# Altium PCB main_board.PcbDoc (part 1 of 2) (continued)
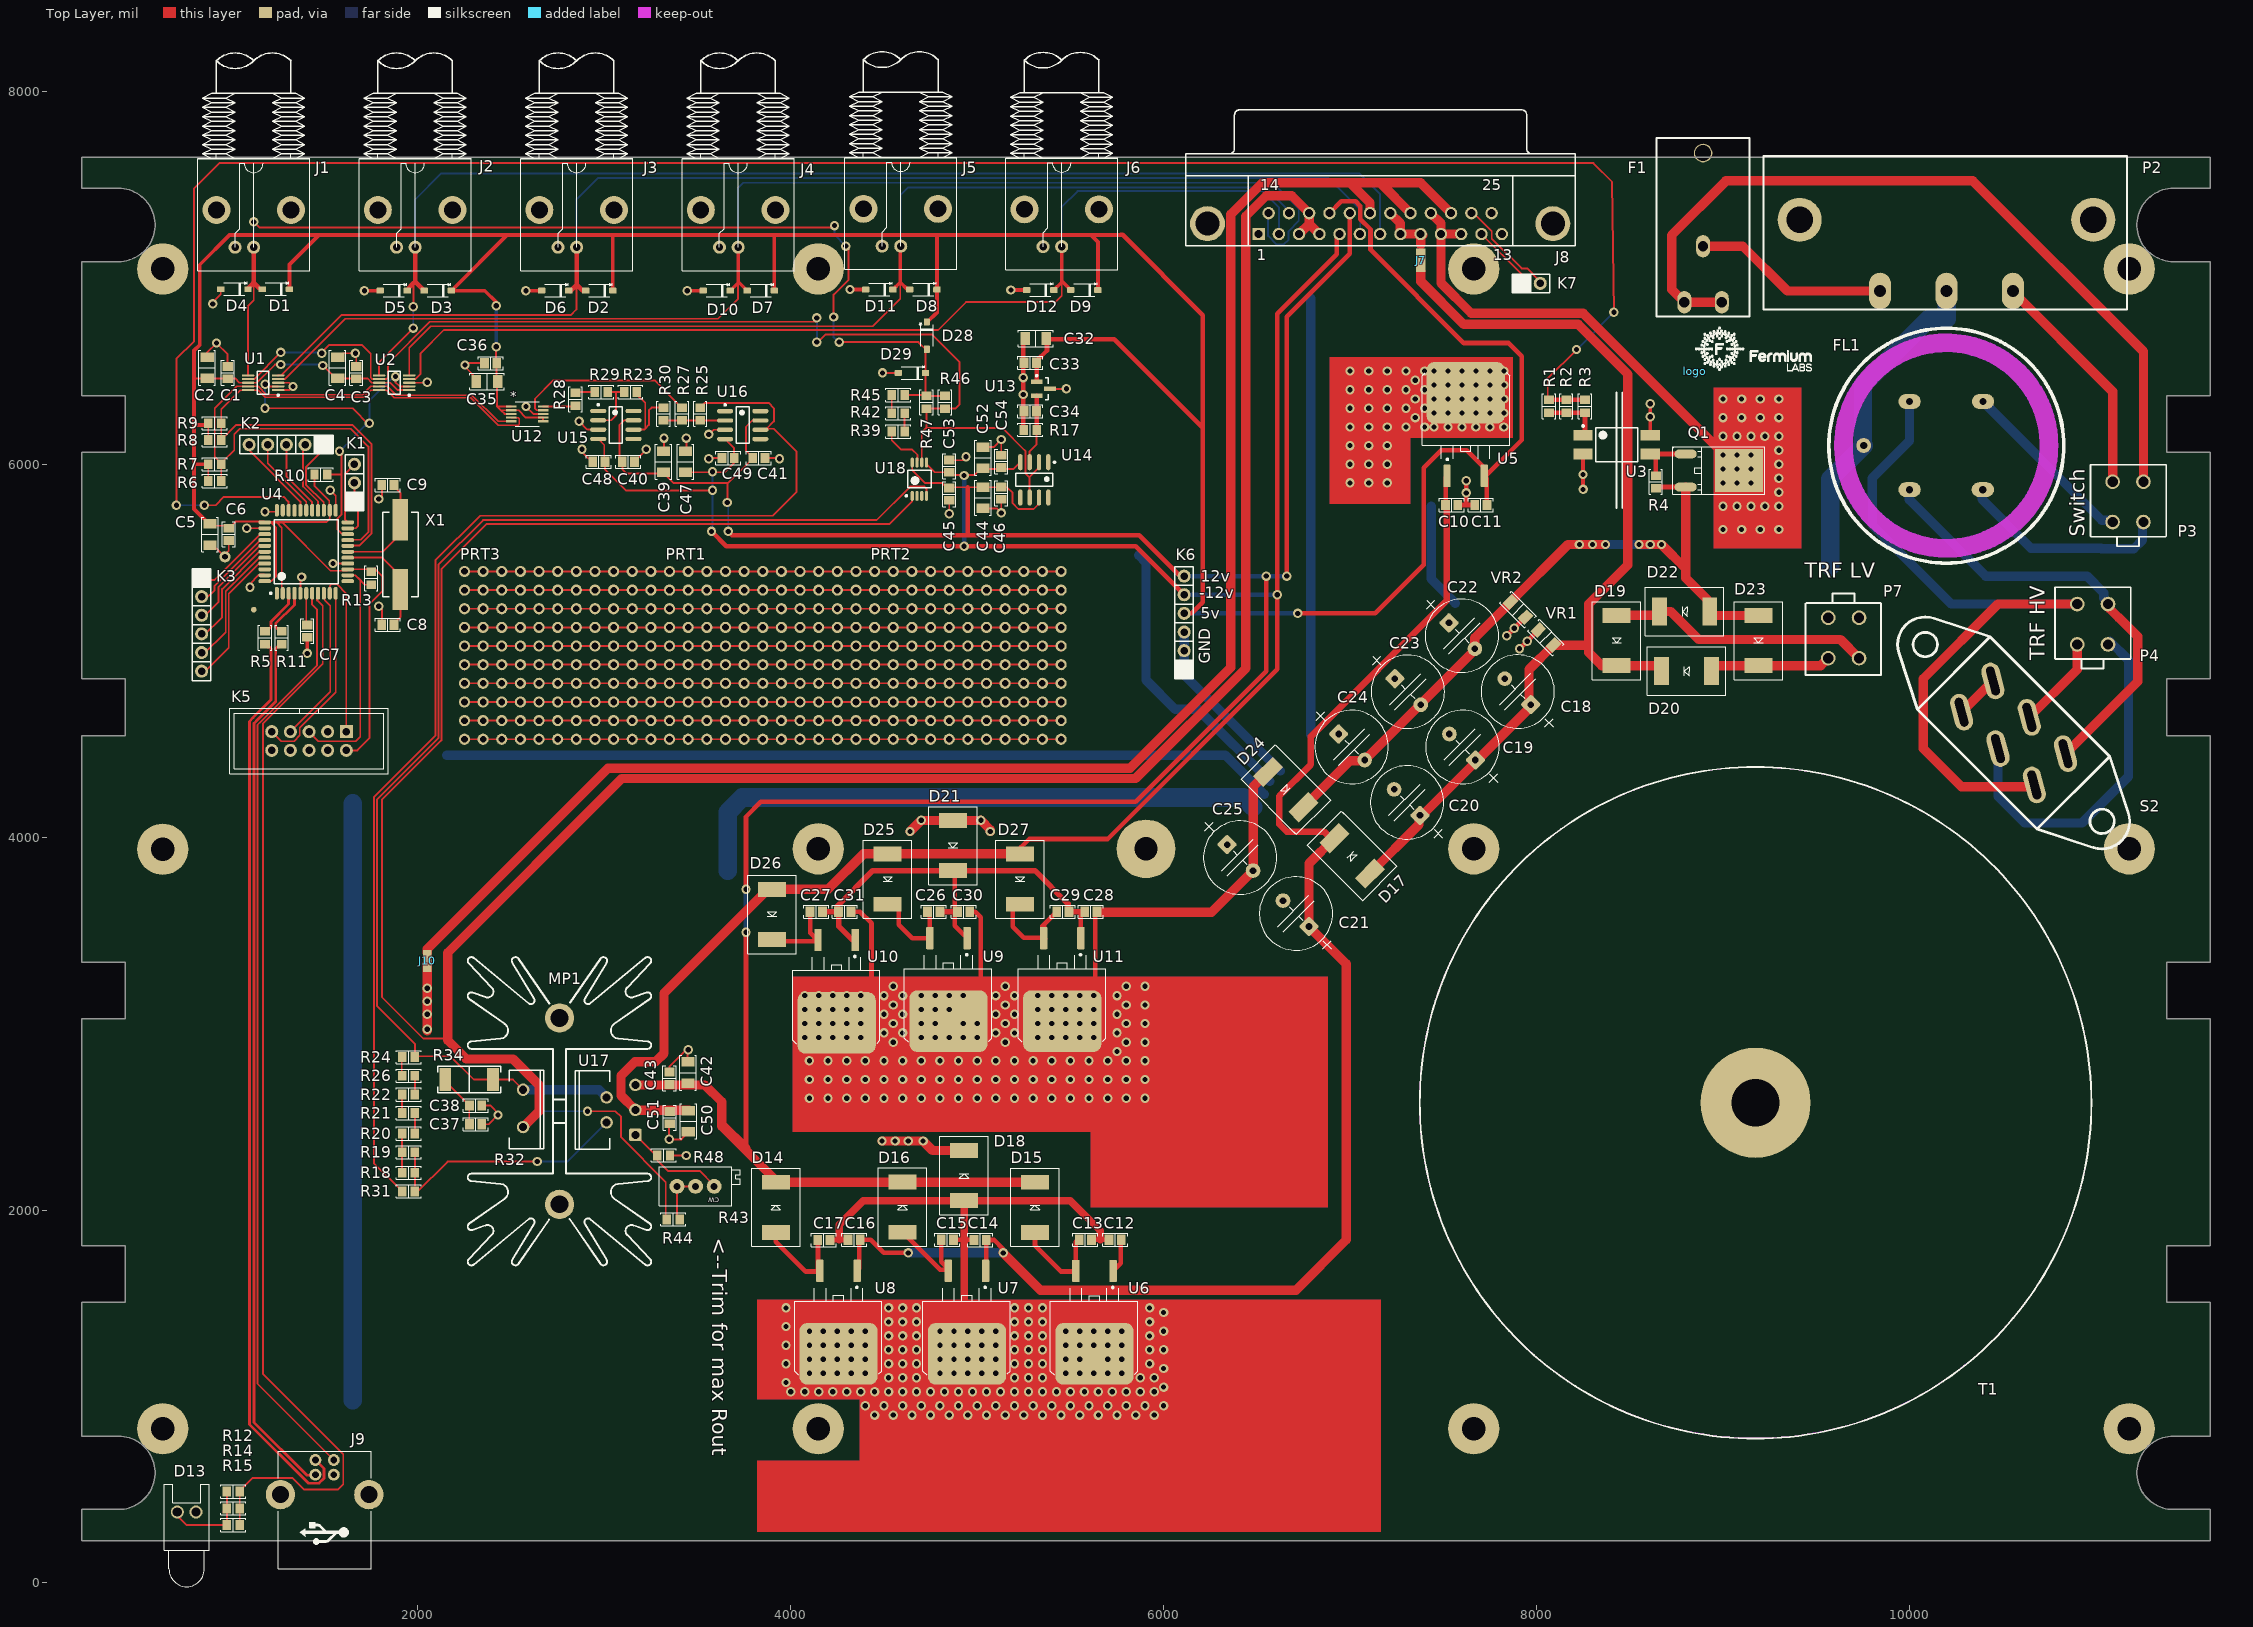
[diagram p0: Top Layer view]
## Part data (continued)
logo: library part fermiumlabs-logo
MP1: library part SK129-63STS, Manufacturer Part Number=SK129-50STS, Pads="2 THT", Supplier 1=TME, Supplier Part Number 1=SK129-50STS
P2: library part "Header 3", "IEC pcb AC power socket", Manufacturer=SCHURTER, Manufacturer Part Number=GSP1.8101.1, Operating temperature=-25...70°C, Rated current=10A, Rated voltage="250V AC", Category="AC power connectors", ComponentLink1Description=http://static.tme.eu/products_pics/f/d/c/fdcf8bc89f97dfd93b47315e6a3722d1/329145.jpg, ComponentLink1URL=http://static.tme.eu/products_pics/f/d/c/fdcf8bc89f97dfd93b47315e6a3722d1/329145.jpg, Connector=socket, Connector type="AC supply", Connector variant="C14 (E)", LatestRevisionDate=17-Jul-2002, LatestRevisionNote="Re-released for DXP Platform.", Leads="4.8x0.8mm connectors", Mechanical mounting="on PCBs", MinAmount=1, Mounting hole diameter="30.3 x 22.5mm", Mounting holes pitch=40mm, Multiples=1, Pads="3 THT", Panel thickness="max 3mm", Price Type=NET, Pricing 1="1=0.97, 5=0.92, 10=0.87, 20=0.82, 100=0.72 (EUR)", Publisher="Altium Limited", Standard="IEC 60320", Stock 1=292, SuppliedAmount=0, Supplier 1=TME, Supplier Part Number 1=GSP1.8101.1, Thread=M3, Unit=pcs, Weight=13.947
P3 P4 P7: library part "Header 2X2", "Connector 4 wire pcb", Manufacturer=Molex, Manufacturer Part Number=039281043, Supplier Part Number 1=MX-5566-04A, Supplier 1=TME
  P3: Pads="2 THT"
  P4 P7: Pads="4 THT"
Q1: library part IRLML2502, "N CHANNEL MOSFET", Manufacturer Part Number=IRF640NSPBF, Pads="3 SMD", Supplier 1=TME, Supplier Part Number 1=IRF640NSPBF
R1 R2 R3 R4 R6 R7 R8 R9 R10 R12 R14 R15: library part Res1, "Resistor", Case - inch=0805, Case - mm=2012, Manufacturer=YAGEO, Manufacturer Part Number=RC0805JR-0710KL, Max. operating voltage=150V, Max. overload voltage=300V, Operating temperature=-55...155°C, Power=0.125W, Resistance=10kO, Resistor type="thick film", Supplier Part Number 1=RC0805JR-0710K, Tolerance=±5%, Category="0805 SMD Resistors", ComponentLink1Description=http://static.tme.eu/products_pics/6/6/c/66cc5cd64257edd80ca8e9fd2040972d/56038.jpg, ComponentLink1URL=http://static.tme.eu/products_pics/6/6/c/66cc5cd64257edd80ca8e9fd2040972d/56038.jpg, LatestRevisionDate=17-Jul-2002, LatestRevisionNote="Re-released for DXP Platform.", MinAmount=100, Mounting=SMD, Multiples=100, PackageDescription="Axial Device, Thru-Hole; 2 Leads; 0.3 in Pin Spacing", PackageReference=AXIAL-0.3, Pads="2 SMD", Price Type=NET, Pricing 1="100=0.006, 1000=0.0036, 5000=0.00118, 15000=0.00108, 50000=0.00094 (EUR)", Published=8-Jun-2000, Publisher="Altium Limited", Stock 1=121900, SuppliedAmount=0, Supplier 1=TME, Unit=pcs, Weight=0.028
R5 R11 R18 R19 R20 R21 R22 R26: library part Res1, "Resistor", Case - inch=0805, Case - mm=2012, Manufacturer="ROYAL OHM", Manufacturer Part Number=0805S8F220JT5E, Max. operating voltage=150V, Max. overload voltage=300V, Operating temperature=-55...125°C, Power=0.125W, Resistance=22O, Resistor type="thick film", Supplier Part Number 1=SMD0805-22R-1%, Temperature coefficient=200ppm/°C, Tolerance=±1%, Category="0805 SMD Resistors", ComponentLink1Description=http://static.tme.eu/products_pics/a/3/4/a34f7a182e69d69fdfdb65c44b99ca64/60560.jpg, ComponentLink1URL=http://static.tme.eu/products_pics/a/3/4/a34f7a182e69d69fdfdb65c44b99ca64/60560.jpg, MinAmount=100, Mounting=SMD, Multiples=100, Pads="2 SMD", Price Type=NET, Pricing 1="100=0.00846, 1000=0.00329, 5000=0.00113, 15000=0.00108, 50000=0.00103 (EUR)", Stock 1=22000, SuppliedAmount=0, Supplier 1=TME, Unit=pcs, Weight=0.031
R13: "Resistor", Case - inch=0805, Case - mm=2012, Manufacturer=YAGEO, Manufacturer Part Number=RC0805JR-0710KL, Max. operating voltage=150V, Max. overload voltage=300V, Operating temperature=-55...155°C, Power=0.125W, Resistance=10kO, Resistor type="thick film", Supplier Part Number 1=RC0805JR-0710K, Tolerance=±5%, Category="0805 SMD Resistors", ComponentLink1Description=http://static.tme.eu/products_pics/6/6/c/66cc5cd64257edd80ca8e9fd2040972d/56038.jpg, ComponentLink1URL=http://static.tme.eu/products_pics/6/6/c/66cc5cd64257edd80ca8e9fd2040972d/56038.jpg, LatestRevisionDate=17-Jul-2002, LatestRevisionNote="Re-released for DXP Platform.", MinAmount=100, Mounting=SMD, Multiples=100, PackageDescription="Axial Device, Thru-Hole; 2 Leads; 0.3 in Pin Spacing", PackageReference=AXIAL-0.3, Pads="2 SMD", Price Type=NET, Pricing 1="100=0.006, 1000=0.0036, 5000=0.00118, 15000=0.00108, 50000=0.00094 (EUR)", Published=8-Jun-2000, Publisher="Altium Limited", Stock 1=121900, SuppliedAmount=0, Supplier 1=TME, Unit=pcs, Weight=0.028
R17 R31 R39 R42 R45 R46 R47 R48: library part Res1, "Resistor", Case - inch=0805, Case - mm=2012, Kind of resistor=precise, Manufacturer=VIKING, Manufacturer Part Number=AR05BTCW1001, Manufacturer series=AR, Max. operating voltage=150V, Max. overload voltage=300V, Operating temperature=-55...155°C, Power=0.125W, Resistance=1kO, Resistor type="thin film", Supplier Part Number 1=AR0805-1K-0.1%, Temperature coefficient=25ppm/°C, Tolerance=±0.1%, Category="0805 SMD Precision Resistors", ComponentLink1Description=http://static.tme.eu/products_pics/6/6/c/66cc5cd64257edd80ca8e9fd2040972d/56038.jpg, ComponentLink1URL=http://static.tme.eu/products_pics/6/6/c/66cc5cd64257edd80ca8e9fd2040972d/56038.jpg, LatestRevisionDate=17-Jul-2002, LatestRevisionNote="Re-released for DXP Platform.", MinAmount=10, Mounting=SMD, Multiples=10, PackageDescription="Axial Device, Thru-Hole; 2 Leads; 0.3 in Pin Spacing", PackageReference=AXIAL-0.3, Pads="2 SMD", Price Type=NET, Pricing 1="10=0.11211, 100=0.05707, 1000=0.03771, 5000=0.03176 (EUR)", Pricing 2="10=0.11119, 100=0.05661, 1000=0.0374, 5000=0.0315 (EUR)", Published=8-Jun-2000, Publisher="Altium Limited", Stock 1=0, Stock 2=750, SuppliedAmount=0, Supplier 1=TME, Supplier 2=TME, Supplier Part Number 2=AR0805-1K13-0.1%, Unit=pcs, Weight=0.034
R23 R25 R27 R28 R29 R30: library part Res1, "Resistor", Case - inch=0805, Case - mm=2012, Kind of resistor=precise, Manufacturer=VIKING, Manufacturer Part Number=AR05BTCW2702, Manufacturer series=AR, Max. operating voltage=150V, Max. overload voltage=300V, Operating temperature=-55...155°C, Power=0.125W, Resistance=27kO, Resistor type="thin film", Supplier Part Number 1=AR0805-27K-0.1%, Temperature coefficient=25ppm/°C, Tolerance=±0.1%, Category="0805 SMD Precision Resistors", ComponentLink1Description=http://static.tme.eu/products_pics/6/6/c/66cc5cd64257edd80ca8e9fd2040972d/56038.jpg, ComponentLink1URL=http://static.tme.eu/products_pics/6/6/c/66cc5cd64257edd80ca8e9fd2040972d/56038.jpg, MinAmount=10, Mounting=SMD, Multiples=10, Pads="2 SMD", Price Type=NET, Pricing 1="10=0.11146, 100=0.05674, 1000=0.0375, 5000=0.03158 (EUR)", Stock 1=270, SuppliedAmount=0, Supplier 1=TME, Unit=pcs, Weight=0.084
R24 R44: library part Res1, "Resistor", Case - inch=0805, Case - mm=2012, Manufacturer="ROYAL OHM", Manufacturer Part Number=0805S8F1002T5E, Max. operating voltage=150V, Max. overload voltage=300V, Operating temperature=-55...125°C, Power=0.125W, Resistance=10kO, Resistor type="thick film", Supplier Part Number 1=SMD0805-10K-1%, Temperature coefficient=100ppm/°C, Tolerance=±1%, Category="0805 SMD Resistors", ComponentLink1Description=http://static.tme.eu/products_pics/a/3/4/a34f7a182e69d69fdfdb65c44b99ca64/60560.jpg, ComponentLink1URL=http://static.tme.eu/products_pics/a/3/4/a34f7a182e69d69fdfdb65c44b99ca64/60560.jpg, MinAmount=100, Mounting=SMD, Multiples=100, Pads="2 SMD", Price Type=NET, Pricing 1="100=0.00735, 1000=0.00287, 5000=0.00105, 15000=0.00095, 50000=0.00093 (EUR)", Stock 1=967000, SuppliedAmount=0, Supplier 1=TME, Unit=pcs, Weight=0.031
R32: library part Res1, "Resistor", Manufacturer Part Number=PWR221T-30-4R00F, Power=30W, Resistance=4O, Supplier Part Number 1=652-PWR221T-30-4R00F, ="2 THT", Supplier 1=Mouser
R34: library part Res1, "Resistor", Manufacturer="ROYAL OHM", Manufacturer Part Number 1=25121WJ010JT5E, Resistance=1, Supplier Part Number 1=SMD2512-1R, Pads="2 SMD", Supplier 1=TME
R43: library part RPot, "Potentiometer", Manufacturer="SR PASSIVES", Manufacturer Part Number=T910W-200R, Resistance=200O, Supplier 1=TME, Supplier Part Number 1=T910W-200R
S2: library part t22205b, "Switch DPDT 230-115V", Supplier Part Number 1=AE-T22205B, Supplier 1=TME
T1: Manufacturer=MULTICOMP, Manufacturer Part Number=MCTA060/12, Supplier Part Number 1=9530428, ComponentLink1Description=http://www.farnell.com/cad/1906782.pdf, ComponentLink1URL=http://www.farnell.com/cad/1906782.pdf, ComponentLink2Description=http://www.farnell.com/datasheets/1829278.pdf, ComponentLink2URL=http://www.farnell.com/datasheets/1829278.pdf, Corrente Nom Secondario=2.5, Diametro Esterno=91.5, Gamma Prodotti="MCTA Series", Livello di Corrente=2.5, Livello di Potenza=60, Lunghezza/Altezza Esterna=39, Montaggio Trasformatore=Pannello, Potenza Secondario="30VA<!--FANDB--><div class=\"features-and-benefits-container\"><div class=\"features-and-benefits-description\"><span class=\"features-benefits-value\">The Multicomp MCTA series are general purpose toroidal transformers with flying leads. They feature dual primary and dual secondary windings.</span></div><div class=\"features-and-benefits-list\"><ul class=\"features-and-benefits-list-list\"><li class=\"features-and-benefits-list-item\">Power rating ranges from 15VA to 1000VA</li><li class=\"features-and-benefits-list-item\">Secondary voltages ranges from 2 x 6VAC to 2 x 55VAC</li><li class=\"features-and-benefits-list-item\">Dual primary winding for connection in series or parallel only</li><li class=\"features-and-benefits-list-item\">Secondary windings can be connected in series or parallel or used independently</li><li class=\"features-and-benefits-list-item\">Double insulated primary lead-out</li><li class=\"features-and-benefits-list-item\">Flexible lead-out can be trimmed to any length without the need for removal of enamel</li><li class=\"features-and-benefits-list-item\">100% electrical and flash tested</li></ul></div><div class=\"features-and-benefits-contents\"><span class=\"features-and-benefits-value\">Transformer, Dished mounting plate, 2 foam pads, Screw, Nut and Washer.</span></div><div class=\"features-and-benefits-applications\"><ul class=\"features-and-benefits-value\"><li class=\"features-and-benefits-list-item\">Industriale</li><li class=\"features-and-benefits-list-item\">Gestione Alimentazione </li></ul></div></div>", Pricing 1="1=13.68, 5=12.94, 20=12.17, 60=11.86, 200=11.55 (EUR)", RoHS=YES, Sostanze Estremamente Preoccupanti (SVHC)="No SVHC (20-Jun-2016)", Stock 1=111, Supplier 1=Farnell, Tensioni Secondarie="2 x 12"
U1 U2: library part ADS1115IDGSR, "16-Bit 4 channel ADC with PGA and reference", Analog Supply Voltage="2 V to 5.5 V", Manufacturer="Texas Instruments", Maximum Operating Temperature="+ 125 C", Minimum Operating Temperature="- 40 C", Package / Case=VSSOP-10, Pd - Power Dissipation="900 uW", Supplier Part Number 1=595-ADS1115IDGSR, Architecture=Sigma-Delta, Brand="Texas Instruments", Category="Analog to Digital Converters - ADC", Digital Supply Voltage="2 V to 5.5 V", Features="PGA, Oscillator, Internal Reference, Comparator", Height="1.02 mm", INL - Integral Nonlinearity="1 LSB", Input Type=Differential/Single-Ended, Interface Type="Serial, 2-Wire, I2C", Length="3 mm", Manufacturer Part Number=ADS1115IDGSR, Minimum Order Quantity=1, Mounting Style=SMD/SMT, Number of channels="2 Channel/4 Channel", Number of Converters="1 Converter", Operating Supply Voltage="2 V to 5.5 V", Packaging=Reel, Pads="8 SMD", Pricing 1="1=4.96, 10=4.45, 25=4.15, 50=3.93, 100=3.65, 250=3.47, 500=3.10, 1000=2.43, 2500=2.43 (EUR)", Product="Analog to Digital Converters", Reeling=True, Reference Type=Internal, Resolution="16 bit", RoHS="RoHS Compliant", RoHS - Mouser=Y, Sampling Rate="860 S/s", Series=ADS1115, Shutdown=Shutdown, Standard Pack Qty=2500, Stock 1=6215, Supplier 1=Mouser, Type="Precision ADC", Width="3 mm"
U3: library part Optoisolator1, "4-Pin Phototransistor Optocoupler", Case="Gull wing 4", Collector-emitter voltage=35V, Insulation voltage=5kV, Manufacturer=LITEON, Manufacturer Part Number=LTV-817S, Category="Optocouplers - Analog Output", ComponentLink1Description=http://static.tme.eu/products_pics/6/f/5/6f53ad03154050309bf911a8cef2b774/437233.jpg, ComponentLink1URL=http://static.tme.eu/products_pics/6/f/5/6f53ad03154050309bf911a8cef2b774/437233.jpg, CTR@If=50-600%@5mA, DatasheetVersion=Nov-2003, LatestRevisionDate=04-Mar-2005, LatestRevisionNote="Sch pins 3 & 4 Swapped.", MinAmount=5, Mounting=SMD, Multiples=1, Number of channels=1, Output type=transistor, PackageReference=DIP-4, Pads="4 SMD", Price Type=NET, Pricing 1="5=0.0986, 10=0.0883, 25=0.0813, 250=0.0715 (EUR)", Published=24-Mar-1999, Publisher="Altium Limited", Stock 1=45338, SuppliedAmount=0, Supplier 1=TME, Supplier Part Number 1=LTV-817S, Type of semiconductor component=optocoupler, Unit=pcs, Weight=0.211
U4: library part ATmega32U4-AU, "8-bit AVR MCU, 16MHz, 32KB Flash, 1KB EEPROM, 2.5KB SRAM, USB", Case=TQFP44, Manufacturer=ATMEL, Manufacturer Part Number=ATMEGA32U4-AU, Integrated circuit type="AVR microcontroller", Mounting=SMD, Pads="42 SMD", Supplier 1=TME, Supplier Part Number 1=ATMEGA32U4-AU
U5: library part L7805-TO220, "Voltage regulator, 5V", Case=D2PAK, Kind of voltage regulator=fixed, Manufacturer="ON SEMICONDUCTOR", Manufacturer Part Number=MC7805ACD2TG, Output current=1A, Output voltage=5V, Package type=tube, Category="Unregulated Voltage Regulators", ComponentLink1Description=http://static.tme.eu/products_pics/e/a/8/ea8bf400c57f85e1fa510dcd027ce484/59301.jpg, ComponentLink1URL=http://static.tme.eu/products_pics/e/a/8/ea8bf400c57f85e1fa510dcd027ce484/59301.jpg, Integrated circuit type="voltage stabiliser", MinAmount=2, Mounting=SMD, Multiples=1, Pads="3 SMD", Price Type=NET, Pricing 1="2=0.45, 10=0.42, 50=0.38, 250=0.322 (EUR)", Stock 1=245, SuppliedAmount=0, Supplier 1=TME, Supplier Part Number 1=MC7805ACD2TG, Unit=pcs, Weight=2.18
U6 U7 U8: library part L7815-TO220, "Voltage regulator, 15V", Case=D2PAK, Kind of voltage regulator=fixed, Manufacturer="ON SEMICONDUCTOR", Manufacturer Part Number=MC7812ACD2TG, Output current=1A, Output voltage=12V, Package type=tube, Category="Unregulated Voltage Regulators", ComponentLink1Description=http://static.tme.eu/products_pics/e/a/8/ea8bf400c57f85e1fa510dcd027ce484/59301.jpg, ComponentLink1URL=http://static.tme.eu/products_pics/e/a/8/ea8bf400c57f85e1fa510dcd027ce484/59301.jpg, Integrated circuit type="voltage stabiliser", MinAmount=1, Mounting=SMD, Multiples=1, Pads="3 SMD", Price Type=NET, Pricing 1="1=0.5, 5=0.449, 25=0.41, 100=0.357, 500=0.299 (EUR)", Stock 1=415, SuppliedAmount=0, Supplier 1=TME, Supplier Part Number 1=MC7812ACD2TG, Unit=pcs, Weight=1.997
U9 U10 U11: library part L7915-TO220, "Voltage regulator-15.0V", Case=D2PAK, Kind of voltage regulator=fixed, Manufacturer="ON SEMICONDUCTOR", Manufacturer Part Number=MC7912ACD2TG, Output current=1A, Output voltage=-12V, Package type=tube, Category="Unregulated Voltage Regulators", ComponentLink1Description=http://static.tme.eu/products_pics/e/a/8/ea8bf400c57f85e1fa510dcd027ce484/59301.jpg, ComponentLink1URL=http://static.tme.eu/products_pics/e/a/8/ea8bf400c57f85e1fa510dcd027ce484/59301.jpg, Integrated circuit type="voltage stabiliser", MinAmount=1, Mounting=SMD, Multiples=1, Pads="3 SMD", Price Type=NET, Pricing 1="1=0.628, 5=0.56, 25=0.465, 100=0.39, 500=0.34 (EUR)", Stock 1=441, SuppliedAmount=0, Supplier 1=TME, Supplier Part Number 1=MC7912ACD2TG, Unit=pcs, Weight=1.876
U12: library part MAX5805AAUB+, "Imported", Manufacturer="Maxim Integrated", Manufacturer Part Number=MAX5805BAUB+, Maximum Operating Temperature="+ 125 C", Minimum Operating Temperature="- 40 C", Package / Case=UMAX-10, Pd - Power Dissipation="707.3 mW", Reference Voltage="4.096 V", Supplier Part Number 1=700-MAX5805BAUB+, Supply Voltage - Max="5.5 V", Supply Voltage - Min="2.7 V", Brand="Maxim Integrated", C="Copyright (C) 2015 Accelerated Designs. All rights reserved", Category="Digital to Analog Converters - DAC", ComponentLink1Description=http://www.mouser.com/ds/2/256/MAX5803-MAX5805-472540.pdf, ComponentLink1URL=http://www.mouser.com/ds/2/256/MAX5803-MAX5805-472540.pdf, Copyright="Copyright (C) 2015 Accelerated Designs. All rights reserved", DNL - Differential Nonlinearity="+/- 0.2 LSB", Gain Error="0.5 %FS", INL - Integral Nonlinearity="+/- 0.5 LSB", Interface Type="Serial, I2C", Minimum Order Quantity=1, Mounting Style=SMD/SMT, Number of channels="1 Channel", Number of Converters="1 Converter", Output type="Voltage Buffered", Packaging=Tube, Pads="10 SMD", Pricing 1="1=1.26, 10=1.21 (EUR)", Product="Digital to Analog Converters", Reeling=False, RefDes=RefDes, Resolution="12 bit", RoHS="RoHS Compliant", RoHS - Mouser=Y, Series=MAX5805, Settling Time="6.3 us", Standard Pack Qty=50, Stock 1=323, Supplier 1=Mouser, Type=DEV, Vendor="Maxim Integrated Products"
U13: library part REF3025AIDBZR, "Voltage reference, 2.5V", Manufacturer="Texas Instruments", Maximum Operating Temperature="+ 125 C", Minimum Operating Temperature="- 40 C", Operating Supply Current="42 uA", Operating Temperature Range="- 40 C to + 125 C", Output voltage="2.5 V", Package / Case=SOT-23-3, Series VREF - Input Voltage - Max="5.5 V", Shunt Current - Max="25 mA", Supplier Part Number 1=595-REF3025AIDBZR, Supply Current - Max="50 uA", Temperature coefficient="50 PPM / C", Accuracy="100 uV/mA", Brand="Texas Instruments", Category="Voltage References", Height="1 mm", Initial Accuracy="0.2 %", Length="2.92 mm", Manufacturer Part Number=REF3025AIDBZR, Minimum Order Quantity=1, Mounting Style=SMD/SMT, Packaging=Reel, Pads="3 SMD", Pricing 1="1=1.29, 10=1.15, 25=1.06, 50=0.950, 100=0.900, 250=0.841, 500=0.743, 1000=0.508, 3000=0.508 (EUR)", Product="Voltage References", Reeling=True, Reference Type="Series References", RoHS="RoHS Compliant", RoHS - Mouser=Y, Series=REF3025, Standard Pack Qty=3000, Stock 1=2808, Supplier 1=Mouser, Topology="Series References", Width="1.3 mm"
U14 U15 U16: library part OP07CDR, "Low-Offset Voltage Operational Amplifier, 6 to 36 V, 0 to 70 degC, 8-pin SOIC (D8), Green (RoHS & no Sb/Br)", Case=SO8, Manufacturer="TEXAS INSTRUMENTS", Supply voltage="3...18V DC", Transmission band frequency=600kHz, Category="SMD Operational Amplifiers", ComponentLink1Description=http://static.tme.eu/products_pics/4/8/a/48a33ccfb5a851d5982dcdda0776f7ac/285338.jpg, ComponentLink1URL=http://static.tme.eu/products_pics/4/8/a/48a33ccfb5a851d5982dcdda0776f7ac/285338.jpg, Integrated circuit type="operational amplifier", Manufacturer Part Number=OP07CDR, MinAmount=3, Mounting=SMD, Multiples=1, Number of channels=1, Pads="8 SMD", Price Type=NET, Pricing 1="3=0.2668, 10=0.2451, 50=0.2177, 250=0.1848, 1000=0.165 (EUR)", Slew rate=0.3V/µs, Stock 1=2258, SuppliedAmount=0, Supplier 1=TME, Supplier Part Number 1=OP07CDR, Unit=pcs, Weight=0.23
U17: library part lm675, Case=TO220-5, Manufacturer="TEXAS INSTRUMENTS", Manufacturer Part Number=LM675T/NOPB, Operating temperature=0...70°C, Supply voltage="16...60V DC", Transmission band frequency=5.5MHz, Category="THT Operational Amplifiers", ComponentLink1Description=http://static.tme.eu/products_pics/8/4/8/84875f56cd122364db0c84d2b63a2f07/59360.jpg, ComponentLink1URL=http://static.tme.eu/products_pics/8/4/8/84875f56cd122364db0c84d2b63a2f07/59360.jpg, Integrated circuit type="operational amplifier", MinAmount=1, Mounting=THT, Multiples=1, Number of channels=1, Pads="5 THT", Price Type=NET, Pricing 1="1=4.39, 3=4.18, 10=3.64, 25=3.17 (EUR)", Slew rate=8V/µs, Stock 1=27, SuppliedAmount=0, Supplier 1=TME, Supplier Part Number 1=LM675T/NOPB, Unit=pcs, Weight=2.033
U18: library part AD8226, "Instrumentation amplifier", Dual Supply Voltage="1.35 V to 18 V", Ib - Input Bias Current="35 nA", Manufacturer="Analog Devices", Manufacturer Part Number=AD8226ARMZ, Maximum Input Resistance="800 MOhms at +/- 15 V", Maximum Operating Temperature="+ 125 C", Minimum Operating Temperature="- 40 C", Operating Supply Current="325 uA", Operating Supply Voltage="2.2 V to 36 V", Package / Case=MSOP-8, Supplier Part Number 1=584-AD8226ARMZ, Supply Voltage - Max="36 V", Supply Voltage - Min="2.2 V", Voltage Gain dB="60 dB", Vos - Input Offset Voltage="100 uV", 3 dB Bandwidth="1.5 MHz", Amplifier Type="Instrumentation Amplifier", Brand="Analog Devices", Category="Instrumentation Amplifiers", CMRR - Common Mode Rejection Ratio="120 dB", ComponentLink1Description=http://www.mouser.com/ds/2/609/AD8226-877720.pdf, ComponentLink1URL=http://www.mouser.com/ds/2/609/AD8226-877720.pdf, Gain V/V="1 V/V to 1000 V/V", GBP - Gain Bandwidth Product=-, Height="0.85 mm", Length="3 mm", Minimum Order Quantity=1, Mounting Style=SMD/SMT, Number of channels="1 Channel", Packaging=Tube, Pads="8 SMD", Pricing 1="1=2.48, 10=2.22, 25=1.99, 50=1.87, 100=1.82, 250=1.64, 500=1.47, 1000=1.28 (EUR)", Product="Instrumentation Amplifiers", Reeling=False, RoHS="RoHS Compliant", RoHS - Mouser=Y, Series=AD8226, SR - Slew Rate="0.4 V/us", Standard Pack Qty=50, Stock 1=679, Supplier 1=Mouser, Supply Type="Single, Dual", Vcm - Common Mode Voltage="2.2 V to 36 V", Width="3 mm"
VR1 VR2: library part Varistor_MOV, "Varistor", Case=1206, Manufacturer=EPCOS, Manufacturer Part Number=B72520T0250K062, Max. operating voltage="25V AC", Power=8mW, Supplier Part Number 1=B72520T250K62, Varistor max current 8/20µs=200A, Category="SMD Varistors", ComponentLink1Description=http://static.tme.eu/products_pics/c/0/9/c09a96f753270fa18ba9e61c943ff8c8/58311.jpg, ComponentLink1URL=http://static.tme.eu/products_pics/c/0/9/c09a96f753270fa18ba9e61c943ff8c8/58311.jpg, Energy 2 ms=1J, MinAmount=5, Mounting=SMD, Multiples=1, Pads="2 SMD", Price Type=NET, Pricing 1="5=0.194, 50=0.158, 100=0.128, 500=0.119, 2000=0.114 (EUR)", Stock 1=1646, SuppliedAmount=0, Supplier 1=TME, Unit=pcs, Varistor type=metal-oxide, Weight=0.058
X1: library part CRYSTAL-GENERIC, "quartz crystal", Capacitance=20pF, Case=HC49SM, Frequency=16MHz, Manufacturer=YIC, Power=1mW, Resonator tolerance=±30ppm, Supplier Part Number 1=16.00M-SMDHC49S, Category="SMD Quartz Crystals", ComponentLink1Description=http://static.tme.eu/products_pics/0/4/3/0433aed25ec1f9097194a826a55aa53d/56913.jpg, ComponentLink1URL=http://static.tme.eu/products_pics/0/4/3/0433aed25ec1f9097194a826a55aa53d/56913.jpg, MinAmount=2, Mounting=SMD, Multiples=1, Pads="2 SMD", Price Type=NET, Pricing 1="2=0.3697, 10=0.2143, 100=0.1318, 1000=0.1033, 4000=0.0995 (EUR)", Resonator type=quartz, Stock 1=11958, SuppliedAmount=0, Supplier 1=TME, Time stability=±5ppm/year, Unit=pcs, Weight=1.11

## Free pads (board coordinates)
  round 275.59 hole 125.98: 2(631.89,826.77) 2(631.89,3935) 2(631.89,7047.24) 2(4147.64,826.77) 2(4147.64,3937.01) 2(4147.64,7047.24) 2(7663.39,826.77) 2(7663.39,3937.01) 2(7663.39,7047.24) 2(11179.13,826.77) 2(11179.13,3937.01) 2(11179.13,7047.24)
  round 314.96 hole 125.98: 2(5905.51,3937.01)
  round 60 hole 30: 3(965.47,5503.5)
  round 30 smd paste+0 mask+20: 6(1120,5220)

## Via types
v1: diameter 50, hole 28, Top Layer to Bottom Layer, 524 vias

## Nets (pads, with @x,y where several pads share a name; then routed paths per layer and width w, separated by ;. In a path a pad name is that pad's centre, name@x,y a point inside that pad or via, vN(x,y) a via of type N, cw(c..) or ccw(c..) an arc to the next point about the centre after c; other vN are vias at no path point)
2.5V: R46.2 R47.2 U1.7 U2.7 U14.2 U14.6 U18.6 | length 6102.6
  Top Layer w10: U1.7@1089.29,6456.77 1121.77,6456.77 v1(1265,6600) ; v1(1485,6595) 1480,6595 1525,6640 1700,6640 1747.74,6592.26 1747.74,6464.89 1754.63,6458 U2.7@1795,6458 ; U2.7@1792.21,6456.77 1830.77,6456.77 1840,6466 1840,6540 2064,6764 4140,6764 v1(4140,6785) ; v1@4140,6650 4185,6695 4760,6695 4905,6550 4905,6320 4883.07,6298.07 R46.2@4827.17,6298.07 R47.2@4728.74,6298.07 4728.74,6198.74 ; U18.6@4702.8,6009.57 4702.8,6172.8 4728.74,6198.74 ; U14.6@5280,5840 5280,5930 ; U14.6@5281.54,5821.81 U14.6@5281.54,5840 ; U14.2@5330,6000 5330,5980 5280,5930 ; 4728.74,6198.74 4728.74,6194.72 5135.27,6194.72 5253.54,6076.46 5258.73,6071.27 5258.73,5951.27 5280,5930
  Bottom Layer w10: v1(1265,6600) 1480,6600 v1(1485,6595) ; v1(4140,6655) v1@4140,6780
5V: C1.1 C2.1 C3.1 C4.1 C5.1 C6.1 C11.1 C32.1 C33.1 C35.1 C36.1 D1.K D2.K D3.K D7.K D8.K D9.K D28.K J8.17 K5.2 K6.4 R6.2 R7.2 R8.2 R9.2 R10.2 R13.2 U1.8 U2.1 U2.8 U4.2 U4.14 U4.24 U4.34 U4.44 U5.3 U12.1 U12.2 U12.3 U12.6 U12.7 U13.1 | length 23226.9
  Top Layer w8: 1530,5430 1617.95,5430 U4.14@1623.94,5435.98 1737.44,5435.98 R13.2@1750,5423.42
  Top Layer w10: 805,6460 C2.1@870,6460 1020,6460 1042.91,6437.09 U1.8@1089.29,6437.09 1136.17,6437.09 1148.54,6449.46 1207.04,6507.96 1234.09,6535 v1(1265,6535) v1@1270,6535 ; R7.2@870,5990 875.55,5984.45 R6.2@875.55,5910 ; R8.2@875.55,6130 R9.2@875.55,6220 ; C5.1@896.06,5670 C6.1@970.47,5670 ; C6.1@990,5660 1022.46,5692.46 1174.55,5692.46 U4.34@1179.05,5687.95 U4.34@1212.05,5687.95 ; U4.44@1179.05,5372.99 U4.44@1212.99,5372.99 ; U4.34@1180,5690 1510,5690 1527.48,5707.48 U4.24@1527.48,5752.91 ; 1215,5375 U4.44@1212.99,5372.99 ; U4.2@1270,5310 1270,5660 1242.05,5687.95 ; R10.2@1445.55,5945 1445.55,5884.45 1525,5805 U4.24@1525,5770 ; v1@1490,6510 v1(1490,6530) 1560,6460 C4.1@1575,6460 ; 1530,5430 1272.05,5687.95 1242.05,5687.95 ; C4.1@1570,6460 1730,6460 1752.91,6437.09 U2.8@1792.21,6437.09 1852.91,6437.09 1892.28,6397.72 U2.1@1953.62,6397.72 ; K5.2@1616.5,4465.47 1675.47,4465.47 1740,4530 1740,5250 1810,5320 1810,5400 R13.2@1770,5440 ; C36.1@2420,6540 v1(2420,6630) ; C35.1@2422.13,6449.69 2422.13,6542.21 C36.1@2430,6550.08 ; C35.1@2425,6425 2425,6310 2425.63,6309.37 ; U12.3@2500.95,6270 2465,6270 2445.31,6289.69 ; U12.1@2500.95,6309.37 2425.63,6309.37 ; U12.6@2671.95,6230.63 U12.7@2671.95,6250.32 2579.69,6250.32 2540.32,6289.69 U12.2@2500.95,6289.69 2445.31,6289.69 ; U4.34@1212.05,5687.95 1240,5660 1240,5400 U4.44@1212.99,5372.99 ; U4.34@1212.05,5687.95 1242.05,5687.95 ; 2425.63,6309.37 2445.31,6289.69
  Top Layer w20: 810,6000 R7.2@875.55,6000 ; 810,6210 R9.2@870,6210 ; C5.1@890,5670 800,5760 800,6610 830,6640 830,7070 990,7230 1470,7230 ; D1.K@1311.1,6938.82 1311.1,7071.1 1470,7230 ; v1(2420,6850) 2420,6870 2358.98,6931.02 D3.K@2179.76,6931.02 2478.74,7230 ; C35.1@2422.13,6449.69 C35.1@2428.03,6443.78 ; D2.K@3045.91,6931.02 3045.91,7230 ; D7.K@3912.05,6931.02 3912.05,7227.95 3910,7230 ; D28.K@4730,6760 4784.09,6814.09 D8.K@4784.09,6936.93 4784.09,7224.09 4790,7230 ; D9.K@5647.48,6934.17 5647.48,7192.52 5610,7230 ; 5775,7230 5610,7230 ; 1470,7230 2478.74,7230 ; 2478.74,7230 3045.91,7230 ; 3045.91,7230 3910,7230 ; 3910,7230 4790,7230 ; 4790,7230 5610,7230
  Top Layer w25: C5.1@885.47,5680.59 C5.1@896.06,5670 ; 5318.98,6455 5318.98,6554.53 5374.57,6610.12 C32.1@5374.57,6670 ; C32.1@5370,6670 C32.1@5374.57,6670 ; C32.1@5374.57,6674.27 C32.1@5374.57,6684.53 ; 5770,7230 5780,7230 6210,6800 6210,6195 ; K6.4@6130,5200 6150,5200 6210,5260 6210,6195 ; v1(6720,5200) 7135,5200 7395,5460 7395,5980 7490,6075 7625,6075 7720,5980 U5.3@7720,5937.5 ; J8.17@6889.67,7346.54 6953.13,7410 7030,7410 7055.3,7384.7 7055.3,7314.7 7109.65,7260.35 7109.65,7212.93 7110,7212.58 7110,7150 7610,6650 7850,6650 7920,6580 7920,6130 U5.3@7720,5930 ; C11.1@7733.27,5781.34 U5.3@7733.27,5924.23 ; C32.1@5374.57,6670 5735,6670 6210,6195
  Bottom Layer w10: v1(1265,6535) 1480,6535 v1@1485,6530
  Bottom Layer w20: v1@2420,6620 v1(2420,6630) v1(2420,6850)
  Bottom Layer w25: K6.4@6120,5210 6130,5200 v1(6720,5200)
12V: C39.1 C40.1 C41.1 C42.1 C43.1 C44.1 C45.1 C46.1 D14.K D15.K D16.K J8.18 K6.6 U14.7 U15.7 U16.7 U17.5 U18.8 | length 15976.7
  Top Layer w10: U15.7@3156.46,6235.63 3106.65,6235.63 3081.65,6210.63 3081.65,6029.53 3097.4,6013.78 3097.4,5972.6 3120,5950 C39.1@3300,5950 ; C39.1@3330,5940 3370,5900 3660,5900 ; v1(3660,5795) 3660,5900 ; U16.7@3800,6240 3760,6200 3760,6071.65 3797.44,6034.22 3798.19,6033.47 3664.72,5900 3660,5900 ; U18.8@4651.61,6009.57 4651.61,5968.39 4720,5900 4810,5900 C45.1@4833.07,5876.93 ; C45.1@4840,5870 C45.1@4833.07,5876.93 ; U14.7@5326.22,5827.13 U14.7@5331.54,5821.81 5331.54,5788.31 5303.23,5760 5221,5760 5189.69,5791.31 5189.69,5846.46 5159.21,5876.93 C44.1@5030.95,5876.93 4950,5876.93 C45.1@4833.07,5876.93
  Top Layer w25: v1@3660,5645 v1(3665,5640) 3685,5620 4950,5620 ; 3760,2330 v1(3760,3490) ; v1(3760,3720) 3760,4110 3840,4190 5850,4190 6550,4890 v1(6550,5400) ; 4950,5876.93 4950,5620 ; K6.6@6110,5400 6090,5400 5870,5620 4950,5620 ; v1(6660,5400) 6660,6790 6998.37,7128.37 J8.18@6998.37,7346.54
  Top Layer w50: U17.5@3166.75,2670.94 3449.5,2670.94 3539.06,2670.94 3630,2580 3630,2460 ; 3760,2330 3630,2460 ; D14.K@3920,2149.06 D14.K@3930.94,2149.06 ; D14.K@3940,2140 D14.K@3930.94,2149.06 ; D15.K@5320,2150 5319.06,2149.06 D15.K@5310,2149.06 D14.K@3930.94,2149.06 ; 3630,2460 3630,2450 D14.K@3930.94,2149.06
  Bottom Layer w10: v1(3660,5795) 3665,5790 v1(3665,5640)
  Bottom Layer w25: v1(3760,3490) v1@3760,3710 ; K6.6@6110,5400 v1(6550,5400) v1(6660,5400)
+Vun: C18.1 C19.1 C20.1 D17.A D19.K D20.K J7.1 VR1.1 | length 5222.4
  Top Layer w50: D17.A@7106.08,3803.92 7370,4067.84 C20.1@7370,4130 ; C20.1@7375.23,4116.84 7386.84,4116.84 7960,4690 7960,4899.27 VR1.1@8090.37,5029.63 8280,5029.63 ; 7380,7034 7380,6980 7610,6750 8223.52,6750 8490,6483.52 8490,5460 8280,5250 8280,5029.63 ; D20.K@8670,4890 8640,4920 D19.K@8430,4920 8350,4920 8280,4990 8280,5029.63
-12V: C47.2 C48.2 C49.2 C50.2 C51.2 C52.2 C53.2 C54.2 D25.A D26.A D27.A J8.5 K6.5 U14.4 U15.4 U16.4 U17.3 U18.5 | length 13204.2
  Top Layer w10: U15.4@2967.48,6135.63 3000,6103.11 C48.2@3000,6020 ; C48.2@3002.91,6013.78 3002.91,5972.09 3115,5860 v1(3580,5860) ; C47.2@3435.98,5956.69 3646.69,5956.69 C49.2@3700,6010 ; U16.4@3647.99,6134.84 3695.83,6087.01 C49.2@3695.83,6033.47 ; U18.5@4730,6000 4773,5957 C53.2@4823.46,5957 ; C53.2@4850,5957 C53.2@4823.46,5957 ; U14.4@5231.54,6010.79 5196.1,5975.35 5032.91,5975.35 C52.2@5030.95,5977.32 5020.55,5977.32 4984.96,5941.73 4838.73,5941.73 C53.2@4823.46,5957
  Top Layer w25: v1(3575,5640) 3655,5560 4890,5560 v1(4930,5560) ; v1@4940,5560 5850,5560 K6.5@6100,5310 ; D27.A@5200,3910 5280,3990 5700,3990 6610,4900 v1(6610,5300) 6610,6806.85 6929.13,7125.98 J8.5@6929.13,7244.09
  Top Layer w50: C50.2@3454,2535 3168.82,2535 U17.3@3166.75,2537.08 3090,2613.82 3090,2720 3165,2795 3275,2795 3320,2840 3320,3162.52 D26.A@3877.48,3720 ; D26.A@3900,3720 4200,3720 4390,3910 D27.A@5200,3910
  Bottom Layer w10: v1@3580,5640 v1(3580,5860) v1(3580,5960)
  Bottom Layer w25: v1(4930,5560) v1(4930,5940) ; K6.5@6110,5300 v1(6610,5300)
-VUN: C22.2 C23.2 C24.2 D22.A D23.A D24.K Q1.S R4.1 VR2.2 | length 4575.7
  Top Layer w25: R4.1@8639.88,5870.55 8647.17,5877.83 Q1.S@8799.88,5877.83
  Top Layer w50: D24.K@6750,4160 7000,4410 C24.2@7080,4410 ; C24.2@7078.24,4413.82 7670,5005.58 C22.2@7670,5010 ; C22.2@7669.6,5010.4 7669.6,5069.6 VR2.2@7860,5260 ; VR2.2@7859.63,5260.36 8169.27,5570 v1(8230,5570) v1(8300,5570) v1(8370,5570) ; v1(8550,5570) v1(8610,5570) v1(8670,5570) 8800,5440 ; 8799.88,5759.88 Q1.S@8799.88,5877.83 ; 8800,5770 8800,5440 ; D22.A@8929.06,5210 8929.06,5260.94 8800,5390 8800,5440 ; D22.A@8930,5190 8930.94,5189.06 D23.A@9190,5189.06
  Bottom Layer w50: v1@8279.82,5570 v1(8230,5570) ; v1@8280,5569.82 8290,5569.79 8300,5569.76 8370,5569.56 8300,5569.78 v1@8279.98,5569.84 ; v1@8605,5568.87 8580,5568.94 8560,5569 8610.01,5569.45 v1(8670,5570) 8610,5569.91 8550,5569.82 8370,5569.92 v1(8300,5570) v1@8279.85,5569.97 ; v1(8230,5570) v1@8279.98,5569.84 ; v1(8230,5570) v1@8279.85,5569.97 ; v1@8279.85,5569.97 v1@8279.98,5569.84
AUX1: J8.12 K7.1 | length 363.8
  Top Layer w10: J8.12@7704.92,7234.72 7920,7019.65 K7.1@7920,6970 K7.1@7920,6960
AUX2: J8.24 K7.2 | length 530.5
  Top Layer w10: J8.24@7650.57,7346.54 7663.47,7346.54 7760,7250 7760,7210 7920,7050 7950,7050 K7.2@8010,6990
D_N: R5.1 U4.3 | length 262.3
  Top Layer w15: R5.1@1180,5104.45 1195.14,5119.59 1203.71,5119.59 1212.5,5128.37 1212.5,5155.5 1307,5250 1307,5277.15 1308.28,5278.43 1308.28,5306.76 U4.3@1307.01,5308.03
D_P: R11.1 U4.4 | length 264.5
  Top Layer w15: R11.1@1270,5104.45 1254.86,5119.59 1246.29,5119.59 1237.5,5128.37 1237.5,5145.14 1338,5245.64 1338,5277.66 1337.23,5278.43 1337.23,5306.76 U4.4@1338.5,5308.03
Gauss: D3.A D5.K J2.1 J8.7 U2.6 | length 6655
  Top Layer w10: U2.6@1792.21,6476.46 1792.21,6547.21 v1@1970,6725 ; v1@1976.22,6825 1976.22,6970
  Top Layer w25: D5.K@1943.54,6931.02 1943.54,6937.32 1976.22,6970 1985.67,6979.45 ; J2.1@1985.67,7164.09 1985.67,6979.45 ; D3.A@2034.1,6931.02 1985.67,6979.45
  Bottom Layer w10: v1@1975,6725 v1(1975,6730) v1(1975,6845) ; J2.1@1985.67,7164.09 1985.67,7420 2125.67,7560 7050,7560 7160,7450 J8.7@7160,7235